# Altium PCB pcb.PcbDoc (part 2 of 2)
Units mm, origin at the board's own origin, x right, y up, seen from the top; angles counter-clockwise.
Board outline 110 x 25 mm, 4 copper layers (Top Layer, Mid-Layer 1, Mid-Layer 2, Bottom Layer); 133 components, 112 nets, 571 pads, 224 vias.
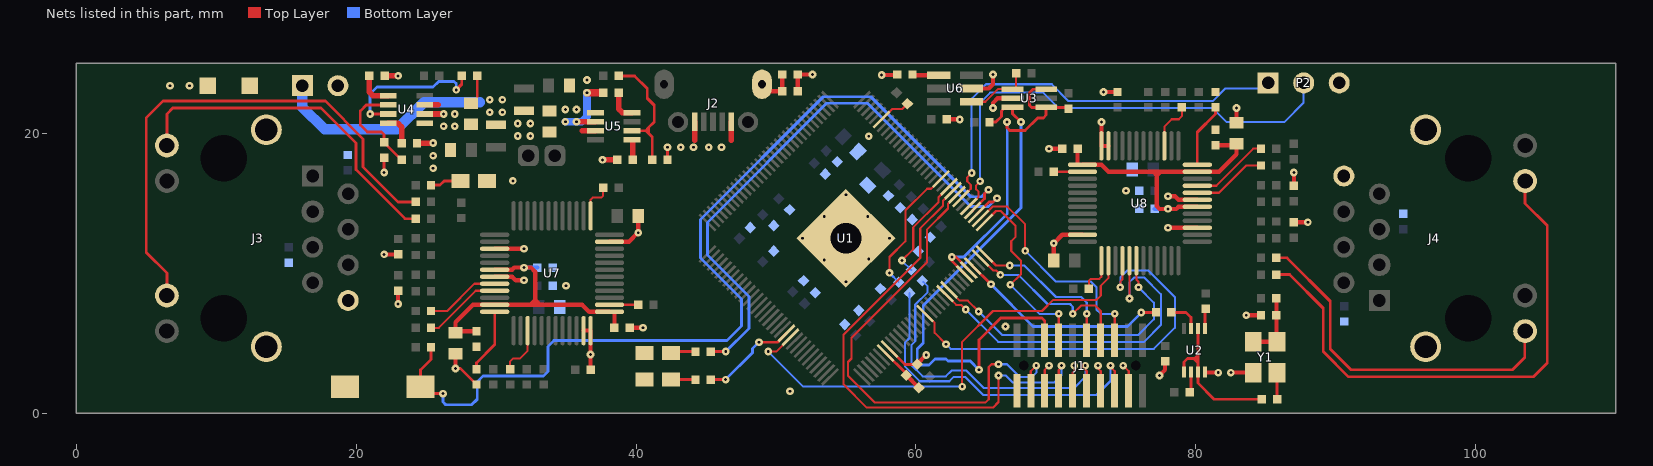
[diagram p4: the nets of this part, all layers, seen from the top]

## Via types
v1: diameter 0.55, hole 0.2, Top Layer to Bottom Layer, 224 vias

## Nets (pads, with @x,y where several pads share a name; then routed paths per layer and width w, separated by ;. In a path a pad name is that pad's centre, name@x,y a point inside that pad or via, vN(x,y) a via of type N, cw(c..) or ccw(c..) an arc to the next point about the centre after c; other vN are vias at no path point) (continued)
ETH2_TXD1: U1.113 U8.4 | length 29.7
  Top Layer w0.15: U1.113@60.657,7.126 61.329,6.454 61.329,5.747 v1(62.142,4.934) ; v1(74.6,9) 74.6,9.4 74.75,9.55 U8.4@74.75,10.9
  Bottom Layer w0.15: v1(62.142,4.934) 62.476,4.6 77,4.6 78.5,6.1 78.5,8.3 76.6,10.2 75.1,10.2 74.6,9.7 v1(74.6,9)
ETH2_TXD2: U1.118 U8.5 | length 26.3
  Top Layer w0.15: U1.118@62.071,8.54 62.866,7.745 63.22,7.745 v1(63.556,7.409) ; v1(75.25,8.2) U8.5@75.25,10.9
  Bottom Layer w0.15: v1(63.556,7.409) 65.865,5.1 76.3,5.1 77.5,6.3 77.5,8.5 76.3,9.7 75.6,9.7 75.25,9.35 v1(75.25,8.2)
ETH2_TXD3: U1.119 U8.6 | length 21.2
  Top Layer w0.15: U1.119@62.354,8.823 63.132,8.045 63.697,8.045 v1(64.475,7.267) ; U8.6@75.75,10.9 75.75,9.55 75.9,9.4 v1(75.9,9)
  Bottom Layer w0.15: v1(64.475,7.267) 66.143,5.6 75.9,5.6 77,6.7 77,7.9 v1(75.9,9)
ETH2_TXEN: U1.86 U8.2 | length 34.1
  Top Layer w0.15: v1(49.449,4.404) 50.015,4.404 U1.86@51.04,5.429 ; v1(63.3,1.9) 63.3,5.1 65.5,7.3 69,7.3 69.8,8.1 72.9,8.1 73.2,8.4 73.2,9.1 73.75,9.65 U8.2@73.75,10.9
  Bottom Layer w0.15: v1(49.449,4.404) 51.953,1.9 v1(63.3,1.9)
GND: C1.1 C2.1 C3.1 C4.1 C5.1 C6.1 C7.1 C8.1 C9.1 C10.1 C11.1 C12.1 C13.1 C14.1 C15.1 C16.1 C17.1 C18.1 C19.1 C20.1 C21.1 C22.1 C25.1 C26.1 C27.1 C28.1 C29.1 C30.1 C31.1 C32.1 C33.1 C34.1 C35.1 C36.1 C37.1 C38.1 C39.1 C40.1 C41.1 C42.1 C43.1 C44.1 C45.1 C46.1 C47.1 C48.1 C49.1 C50.1 C51.1 C52.1 C53.1 C54.1 C55.1 C56.1 D1.2 D2.2 D3.2 D4.1 J1.4 J1.8 J1.12 J1.16 J1.20 J2.5 J3.8 J3.9 J3.10 J4.8 J4.9 J4.10 P1.2 P2.3 R16.1 R21.1 R22.1 R33.1 R48.1 S1.2 U1.104 U1.129 U2.4 U3.2 U4.1 U5.1 U6.2 U7.15 U7.19 U7.35 U7.36 U7.47 U8.15 U8.19 U8.35 U8.36 U8.47 Y1.2 | length 62
  Top Layer w0.15: J1.16@69.2,1.6 69.2,3.1 v1(69.5,3.4) ; J1.12@71.2,1.6 71.2,2.9 71.3,3 v1(71.3,3.4) ; v1(73,3.4) 73,3.2 73.2,3 J1.8@73.2,1.6 ; v1(74.8,3.4) 75.2,3 J1.4@75.2,1.6
  Top Layer w0.2: v1(22,17.2) R21.1@22,18.25 ; v1(27.1,3.2) 27.45,3.2 R33.1@28.6,2.05 R33.1@28.6,2 ; v1@42.2,19 42.2,19.05 v1@42.25,19.1 ; R22.1@42.25,18.1 v1(42.25,19) ; U1.104@58.111,4.58 59.203,3.489 C19.1@60.089,3.489
  Top Layer w0.3: v1(22,11.35) C40.1@23,11.35 ; v1(23,7.8) C33.1@23,8.75 ; v1(27.1,3.2) C38.1@27.1,4.25 ; U7.19@29.9,9.75 31.15,9.75 31.4,9.5 v1(32,9.5) ; U7.15@29.9,11.75 31.95,11.75 v1@32,11.7 ; U7.35@36.25,5.9 U7.36@36.75,5.9 v1(36.75,4.2) C42.1@36.75,3.1 ; U7.47@38.1,12.25 39.5,12.25 v1(40.15,12.9) C41.1@40.15,14.1 ; C37.1@39.55,6.1 39.65,6 39.75,6.1 v1(40.5,6.1) ; R16.1@51.55,23 C22.1@51.55,24.2 v1(52.6,24.2) ; v1(57.546,24.167) 58.617,24.167 C30.1@58.65,24.2 ; C19.1@60.089,3.489 60.089,3.517 v1(60.728,4.156) ; C29.1@62.2,21 63.117,21 v1(63.132,20.985) ; U6.2@63.975,23.2 65.2,23.2 65.5,23.5 v1(65.5,24.2) ; v1(65.5,21.8) 65.5,22.17 65.83,22.5 U3.2@66.9,22.5 ; v1(69.5,18.9) C49.1@70.45,18.9 ; v1(69.849,12.146) 70.453,12.75 U8.47@71.9,12.75 ; C53.1@69.85,10.9 v1(69.849,12.146) ; v1(73.25,20.8) U8.36@73.25,19.1 U8.35@73.75,19.1 ; v1(73.4,22.95) C54.1@74.4,22.95 ; v1(77.4,2.7) 77.8,3.1 C20.1@77.8,3.7 C20.1@77.8,3.75 ; v1(78,13.25) U8.15@80.1,13.25 ; v1(78,15.5) 78.5,15.5 78.75,15.25 U8.19@80.1,15.25 ; U2.4@80.65,2.95 80.7,2.9 v1(81.6,2.9) ; v1(82.5,2.9) Y1.2@84.1,2.9 ; C50.1@82.9,20.75 v1(82.9,21.8) ; v1(83.6,7) C21.1@84.65,7 ; C52.1@87,13.65 v1(88,13.65) ; C45.1@87,16.25 v1(87,17.2)
  Top Layer w0.4: C31.1@22.05,24.1 v1(23,24.1) ; v1(37.6,18.1) C32.1@38.65,18.1 ; 44.2,19.5 J2.5@44.2,20.825
  other v1: 51.005,1.575 66.4,6.2 35,9.1 55,9.389 53.444,10.944 56.626,11.015 32,11.75 51.889,12.5 58.111,12.5 53.444,14.056 56.556,14.056 55,15.611 75,15.9 31.2,16.6 25.5,17.5 25.5,18.4 43.2,19 44.1,19 56.626,19.783 26.25,20.5 27.05,20.5 34.95,21.7 35.75,21.7 6.7,23.4 8.1,23.4 36.5,23.8
LED_TILE0: R4.2 U1.3 | length 41.7
  Top Layer w0.2: R4.2@45.35,4.4 46.405,4.4 v1(46.409,4.404) ; U1.3@64.334,14.197 65.224,15.088 65.507,15.088 v1(65.783,15.364)
  Bottom Layer w0.2: v1(46.409,4.404) 48.07,6.065 48.07,8.328 45.101,11.298 45.101,13.631 53.621,22.152 56.52,22.152 63.91,14.763 65.182,14.763 v1(65.783,15.364)
LED_TILE1: R5.2 U1.85 | length 7.1
  Top Layer w0.15: v1(48.777,5.075) v1@48.848,5.005
  Top Layer w0.2: R5.2@45.35,2.4 v1(46.4,2.4) ; v1(48.777,5.075) 50.121,5.075 U1.85@50.757,5.712
  Bottom Layer w0.2: v1(46.4,2.4) 48.318,4.318 48.318,4.616 v1(48.777,5.075)
LINK_IN0: J1.14 U1.9 | length 38.4
  Top Layer w0.15: U1.9@62.637,15.894 61.93,15.187 61.93,14.833 60.303,13.207 60.303,11.086 54.823,5.606 54.823,2.07 56.493,0.4 65.5,0.4 65.9,0.8 v1(65.9,2.7) ; J1.14@70.2,1.6 70.2,3.1 70.4,3.3 v1(70.4,3.4)
  Bottom Layer w0.15: v1(65.9,2.7) 66.4,2.7 66.9,2.2 69.9,2.2 70.4,2.7 v1(70.4,3.4)
LINK_IN1: J1.18 U1.8 | length 35.8
  Top Layer w0.15: U1.8@62.92,15.611 62.283,14.975 62.283,14.621 60.798,13.136 60.798,10.803 55.389,5.394 55.389,3.909 55.141,3.661 55.141,2.671 57.038,0.775 64.975,0.775 65.2,1 65.2,3.3 65.4,3.5 v1(65.9,3.5) ; J1.18@68.2,1.6 68.2,3 v1(68.6,3.4)
  Bottom Layer w0.15: v1(65.9,3.5) 66.5,3.5 67.4,2.6 68.3,2.6 68.6,2.9 v1(68.6,3.4)
LINK_OUT0: J1.10 R7.1 | length 23
  Top Layer w0.15: v1(72.1,3.4) 72.1,3.1 72.2,3 J1.10@72.2,1.6
  Bottom Layer w0.15: R7.1@60.515,9.389 60.834,9.071 60.834,8.646 59.95,7.762 59.95,5.146 59.667,4.863 59.667,3.449 60.48,2.636 62.136,2.636 62.55,3.05 63.6,3.05 64.85,1.8 71.3,1.8 72.1,2.6 v1(72.1,3.4)
LINK_OUT1: J1.6 R8.1 | length 24.6
  Top Layer w0.15: v1(73.9,3.4) 73.9,3.3 74.2,3 J1.6@74.2,1.6
  Bottom Layer w0.15: R8.1@59.539,8.586 59.539,5.372 59.207,5.04 59.207,3.343 60.268,2.282 62.382,2.282 62.7,2.6 63.5,2.6 64.8,1.3 72.9,1.3 73.9,2.3 v1(73.9,3.4)
NetC19_2: C19.2 R2.1 U1.103 | length 3.5
  Top Layer w0.2: U1.103@57.828,4.298 59.311,2.815 C19.2@59.311,2.711
  Top Layer w0.3: C19.2@59.311,2.711 R2.1@60.211,1.811
NetC21_2: C21.2 FB1.2 Y1.1 Y1.4 | length 4.8
  Top Layer w0.3: Y1.1@84.1,5.1 85.7,5.1 Y1.4@85.75,5.15 ; FB1.2@85.75,8.2 C21.2@85.75,7 Y1.4@85.75,5.15 ; Y1.4@85.8,5.1 Y1.4@85.75,5.15
NetC22_2: C22.2 J2.M3 R16.2 | length 2.9
  Top Layer w0.3: J2.M3@49,23.5 49.5,23 R16.2@50.45,23 C22.2@50.45,24.2
NetC23_1: C23.1 U4.8 | length 2.2
  Top Layer w0.4: U4.8@22.3,20.725 22.975,20.725 23.25,20.45 C23.1@23.25,19.3
NetC23_2: C23.2 L1.1 U4.2 | length 2.5
  Top Layer w0.4: C23.2@24.35,19.3 v1(25.5,19.3) ; U4.2@24.9,21.375 v1(26.25,21.375)
  other v1: 27.05,21.375 29.55,21.5 30.45,21.5
NetC24_1: C24.1 U5.8 | length 2.2
  Top Layer w0.4: C24.1@38.75,22.9 38.75,21.75 39.025,21.475 U5.8@39.7,21.475
NetC24_2: C24.2 L2.1 U5.2 | length 5.9
  Top Layer w0.4: v1(35.75,20.825) U5.2@37.1,20.825
  Top Layer w0.55: v1(36.5,22.9) C24.2@37.65,22.9
  Bottom Layer w0.55: v1(34.95,20.825) v1(35.75,20.825) 36.125,20.825 36.5,21.2 v1(36.5,22.9)
  other v1: 31.55,20.7 32.45,20.7
NetC30_2: C30.2 U6.4 | length 1.9
  Top Layer w0.3: C30.2@59.75,24.2 59.8,24.15 U6.4@61.625,24.15
NetC31_2: C31.2 U4.5 | length 2.6
  Top Layer w0.4: C31.2@20.95,24.1 20.95,22.95 21.225,22.675 U4.5@22.3,22.675
NetC32_2: C32.2 U5.5 | length 1.4
  Top Layer w0.4: U5.5@39.7,19.525 39.75,19.475 C32.2@39.75,18.1
NetC36_2: C36.2 C37.2 C38.2 C39.2 U7.18 U7.23 U7.37 | length 22.1
  Top Layer w0.3: C39.2@28.6,5.85 27.2,5.85 C38.2@27.1,5.75 27.1,6.5 28.35,7.75 U7.23@29.9,7.75 32.45,7.75 ; U7.18@29.9,10.25 31.15,10.25 31.3,10.4 v1(32,10.4) 32.5,10.4 32.8,10.1 32.8,8.1 ; U7.37@38.1,7.25 36.65,7.25 36.15,7.75 33.15,7.75 ; C37.2@38.45,6.1 U7.37@38.45,7.15 ; 32.45,7.75 32.8,8.1 ; 32.45,7.75 33.15,7.75 ; 32.8,8.1 33.15,7.75
  Bottom Layer w0.3: v1(32,10.4) C36.2@32.95,10.4
NetC48_2: C48.2 C49.2 C50.2 C51.2 U8.18 U8.23 U8.37 | length 21.9
  Top Layer w0.3: U8.37@71.55,17.85 C49.2@71.55,18.9 ; U8.37@71.9,17.75 73.25,17.75 73.75,17.25 77,17.25 ; U8.18@80.1,14.75 78.75,14.75 78.6,14.6 v1(78,14.6) 77.4,14.6 77.2,14.8 77.2,17 ; C51.2@81.4,19.15 82.8,19.15 C50.2@82.9,19.25 82.9,18.5 81.65,17.25 U8.23@80.1,17.25 77.45,17.25 ; 77,17.25 77,17.2 77.2,17 ; 77,17.25 77.45,17.25 ; 77.2,17 77.45,17.25
  Bottom Layer w0.3: C48.2@77.05,14.6 v1(78,14.6)
NetD1_1: D1.1 R3.1 | length 2.2
  Top Layer w0.2: R3.1@25.35,16.3 26,16.3 26.3,16.6 D1.1@27.45,16.6
NetD2_1: D2.1 R4.1 | length 2
  Top Layer w0.2: D2.1@42.25,4.4 R4.1@44.25,4.4
NetD3_1: D3.1 R5.1 | length 2
  Top Layer w0.2: D3.1@42.25,2.4 D3.1@42.5,2.4 R5.1@44.25,2.4
NetJ3_11: J3.11 R24.1 | length 24.6
  Top Layer w0.2: J3.11@6.48,19.13 6.48,21.38 6.9,21.8 17.5,21.8 20,19.3 20,17.4 23.5,13.9 R24.1@24.25,13.9
NetJ3_13: J3.13 R25.1 | length 37.2
  Top Layer w0.2: J3.13@6.48,8.41 6.48,10.02 5,11.5 5,21.1 6.2,22.3 17.8,22.3 20.5,19.6 20.5,17.6 23,15.1 R25.1@24.25,15.1
NetJ4_11: J4.11 R39.1 | length 25
  Top Layer w0.2: R39.1@85.75,11.1 86.5,11.1 89.6,8 89.6,4.6 91.1,3.1 102.6,3.1 103.5,4 J4.11@103.5,5.6
NetJ4_13: J4.13 R40.1 | length 38.2
  Top Layer w0.2: R40.1@85.75,9.9 86.7,9.9 89.1,7.5 89.1,4.4 90.9,2.6 104.1,2.6 105.1,3.6 105.1,13.4 103.52,14.98 J4.13@103.52,16.59
NetR1_1: R1.1 U1.27 | length 2.3
  Top Layer w0.15: U1.27@57.546,20.985 58.288,21.728 59.006,21.728 R1.1@59.389,22.111
NetR7_2: R7.2 U1.10 | length 7.6
  Top Layer w0.15: v1(58.995,10.909) 59.808,11.722 59.808,13.278 61.611,15.081 61.611,15.434 U1.10@62.354,16.177
  Bottom Layer w0.15: v1(58.995,10.909) 58.995,10.905 R7.2@59.661,10.239
NetR8_2: R8.2 U1.12 | length 9.3
  Top Layer w0.15: v1(58.111,10.025) 58.111,11.156 59.243,12.288 59.243,14.48 60.798,16.036 61.081,16.036 U1.12@61.788,16.743
  Bottom Layer w0.15: v1(58.111,10.025) 58.111,10.014 R8.2@58.761,9.364
NetR9_2: R9.2 U2.7 | length 2.3
  Top Layer w0.2: R9.2@78.25,7.2 79.3,7.2 79.65,6.85 U2.7@79.65,6.05
NetR10_1: R10.1 U2.1 U2.3 U2.6 | length 11.5
  Top Layer w0.2: U2.1@79.15,2.95 79.15,3.65 79.4,3.9 79.9,3.9 ; U2.6@80.15,6.05 80.15,4.15 ; R10.1@84.7,1 81.3,1 80.15,2.15 U2.3@80.15,2.95 80.15,3.6 ; 79.9,3.9 80.15,4.15 ; 79.9,3.9 80.15,3.9 ; 79.9,3.9 79.9,3.85 80.15,3.6 ; 80.15,3.6 80.15,3.9 ; 80.15,3.9 80.15,4.15
NetR10_2: R10.2 Y1.3 | length 1.9
  Top Layer w0.2: R10.2@85.8,1 Y1.3@85.8,2.9
NetR11_2: R11.2 U2.5 | length 1.4
  Top Layer w0.2: U2.5@80.65,6.05 80.65,7.4 R11.2@80.7,7.45
NetR12_2: R12.2 U2.2 | length 1.5
  Top Layer w0.2: R12.2@79.55,1.5 79.65,1.6 U2.2@79.65,2.95
NetR18_1: R18.1 R21.2 U4.6 | length 7.5
  Top Layer w0.2: U4.6@22.3,22.025 20.725,22.025 20.3,21.6 20.3,20.6 20.8,20.1 21.8,20.1 22,19.9 R21.2@22,19.35 R18.1@23.25,18.1
NetR19_1: R19.1 R22.2 U5.6 | length 9.6
  Top Layer w0.2: R19.1@38.75,24.1 39.9,24.1 40.8,23.2 40.8,22.5 41.3,22 41.3,20.8 40.9,20.4 ; U5.6@39.7,20.175 40.675,20.175 ; R22.2@41.15,18.1 41.15,19.75 40.9,20 ; 40.675,20.175 40.9,20.4 ; 40.675,20.175 40.725,20.175 40.9,20 ; 40.9,20 40.9,20.4
NetR20_1: R20.1 U4.7 | length 10.9
  Top Layer w0.2: v1(21,21.375) U4.7@22.3,21.375 ; v1(27.15,23.1) 27.55,23.5 R20.1@27.55,24.1
  Bottom Layer w0.2: v1(21,21.375) 21,22.8 21.5,23.3 25.5,23.3 25.9,23.7 27,23.7 27.15,23.55 v1(27.15,23.1)
NetR23_2: R23.2 U7.1 | length 2.7
  Top Layer w0.15: U7.1@36.75,14.1 36.75,15.25 36.9,15.4 37.5,15.4 37.65,15.55 R23.2@37.65,16.1
NetR28_1: R28.1 U7.27 | length 3.6
  Top Layer w0.15: R28.1@31,3.15 31,3.7 31.2,3.9 31.7,3.9 32.25,4.45 U7.27@32.25,5.9
NetR33_2: R33.2 U7.24 | length 4.6
  Top Layer w0.2: R33.2@28.6,3.15 28.6,3.6 29.9,4.9 U7.24@29.9,7.25
NetR35_2: R35.2 U7.38 | length 2.1
  Top Layer w0.15: U7.38@38.1,7.75 40.1,7.75 R35.2@40.15,7.7
NetR36_2: R36.2 U7.21 | length 5.6
  Top Layer w0.15: R36.2@25.35,6.1 25.9,6.1 28.55,8.75 U7.21@29.9,8.75
NetR37_2: R37.2 U7.20 | length 5.4
  Top Layer w0.15: R37.2@25.35,7.3 26.5,7.3 28.45,9.25 U7.20@29.9,9.25
NetR38_2: R38.2 U8.1 | length 2.7
  Top Layer w0.15: R38.2@72.35,8.9 72.35,9.45 72.5,9.6 73.1,9.6 73.25,9.75 U8.1@73.25,10.9
NetR43_1: R43.1 U8.27 | length 3.6
  Top Layer w0.15: U8.27@77.75,19.1 77.75,20.475 78.275,21 78.775,21 79,21.225 R43.1@79,21.85
NetR48_2: R48.2 U8.24 | length 4.6
  Top Layer w0.2: U8.24@80.1,17.75 80.1,20.075 81.4,21.375 R48.2@81.4,21.85
NetR50_2: R50.2 U8.38 | length 2.1
  Top Layer w0.15: R50.2@69.85,17.25 U8.38@71.9,17.25
NetR51_2: R51.2 U8.21 | length 5.6
  Top Layer w0.15: U8.21@80.1,16.25 81.45,16.25 84.1,18.9 R51.2@84.65,18.9
NetR52_2: R52.2 U8.20 | length 5.4
  Top Layer w0.15: U8.20@80.1,15.75 81.65,15.75 83.6,17.7 R52.2@84.65,17.7
PB: R6.1 S1.1 U1.4 | length 69.3
  Top Layer w0.2: S1.1@24.6,1.8 S1.1@24.6,1.9 ; R6.1@25.35,4.7 25.35,3.85 24.6,3.1 S1.1@24.6,1.9 ; v1(26.2,1.4) 25.1,1.4 S1.1@24.6,1.9 ; U1.4@64.051,14.48 64.899,15.328 64.899,15.682 v1(65.182,15.965)
  Bottom Layer w0.2: v1(26.2,1.4) 26.2,0.8 26.4,0.6 28.25,0.6 28.65,1 28.65,2.225 29.075,2.65 33.375,2.65 33.7,2.975 33.7,4.775 34.125,5.2 46.498,5.2 47.54,6.242 47.54,8.151 44.606,11.086 44.606,13.844 53.374,22.612 56.768,22.612 63.91,15.47 64.687,15.47 v1(65.182,15.965)
POR_RST: R14.1 U3.1 U6.1 | length 4.4
  Top Layer w0.15: U6.1@63.975,22.25 64.95,22.25 65.85,23.15 U3.1@66.9,23.15 ; U3.1@67.1,23.2 67.15,23.25 R14.1@67.15,24.3
TCK: J1.9 U1.128 | length 11.4
  Top Layer w0.15: U1.128@64.899,11.369 65.713,10.555 v1(66.703,10.555) ; J1.9@72.2,5.2 v1(72.2,7.1)
  Bottom Layer w0.15: v1(66.703,10.555) 67.745,10.555 70,8.3 71.8,8.3 72.2,7.9 v1(72.2,7.1)
TDI: J1.5 U1.2 | length 17.1
  Top Layer w0.15: U1.2@64.617,13.914 65.465,14.763 66.526,14.763 67.8,13.489 v1(67.8,11.6) ; J1.5@74.2,5.2 v1(74.2,7.1)
  Bottom Layer w0.15: v1(67.8,11.6) 70,9.4 72.5,9.4 72.9,9 72.9,7.4 73.2,7.1 v1(74.2,7.1)
TDO: J1.13 U1.1 | length 14.1
  Top Layer w0.15: U1.1@64.899,13.631 65.713,14.445 66.066,14.445 67.1,13.411 67.1,12.579 66.809,12.288 66.809,11.591 67.5,10.9 67.5,9.939 v1(66.738,9.177) ; J1.13@70.2,5.2 v1(70.2,7.1)
  Bottom Layer w0.15: v1(66.738,9.177) 68.815,7.1 v1(70.2,7.1)
TMS: J1.7 U1.127 | length 13
  Top Layer w0.15: U1.127@64.617,11.086 65.501,10.202 65.713,10.202 v1(66.031,9.884) ; v1(71.2,7.1) 71.8,7.7 72.8,7.7 73.2,7.3 J1.7@73.2,5.2
  Bottom Layer w0.15: v1(66.031,9.884) 67.316,9.884 69.4,7.8 71,7.8 71.2,7.6 v1(71.2,7.1)
UART_RX: P2.1 U1.7 | length 30.2
  Top Layer w0.15: U1.7@63.202,15.328 63.91,16.036 63.91,16.318 63.662,16.566 63.662,16.849 v1(63.98,17.167)
  Bottom Layer w0.15: v1(63.98,17.167) 63.98,22.48 65,23.5 69.7,23.5 70.9,22.3 81.2,22.3 82.1,23.2 P2.1@85.16,23.2
UART_TX: P2.2 U1.5 | length 33.8
  Top Layer w0.15: U1.5@63.768,14.763 64.475,15.47 64.475,15.823 64.298,16 64.298,16.283 v1(64.581,16.566)
  Bottom Layer w0.15: v1(64.581,16.566) 64.581,22.181 65.3,22.9 69.1,22.9 70.2,21.8 81.2,21.8 82.2,20.8 86.3,20.8 87.7,22.2 P2.2@87.7,23.2
VIN: C25.2 C27.2 D4.2 J2.1 P1.1 R20.2 U4.3 U5.3 | length 20.4
  Top Layer w0.2: 28.65,22.625 R20.2@28.65,24.1
  Top Layer w0.4: U4.3@24.9,22.025 25.85,22.025 ; 36.15,20.175 U5.3@37.1,20.175 ; 46.8,19.5 J2.1@46.8,20.825
  Bottom Layer w0.75: P1.1@16.16,23.4 16.16,21.865 17.75,20.275 22.9,20.275 24.85,22.225 28.825,22.225
  other v1: 45.2,19 46.1,19 31.55,19.8 32.45,19.8 29.55,22.4 30.45,22.4
XM_CLK: R9.1 U1.125 | length 15.3
  Top Layer w0.2: U1.125@64.051,10.52 v1(65.359,9.212) ; v1(76.1,7.2) R9.1@77.15,7.2
  Bottom Layer w0.2: v1(65.359,9.212) 68.371,6.2 75.1,6.2 v1(76.1,7.2)
XM_RST: R15.1 U1.123 U1.124 U3.4 U3.6 | length 24.3
  Top Layer w0.2: U1.123@63.485,9.954 62.566,10.874 v1(62.566,11.156) 62.849,11.156 U1.124@63.768,10.237 ; v1(66.5,20.8) 66.5,20.4 66.7,20.2 67.8,20.2 68.7,21.1 69.1,21.1 69.3,21.3 U3.4@69.3,21.85 ; U3.6@69.3,23.15 68.35,23.15 68.1,22.9 68.1,22 68.25,21.85 U3.4@69.3,21.85 ; R15.1@70.9,21.75 70.8,21.85 U3.4@69.3,21.85
  Bottom Layer w0.2: v1(62.566,11.156) 63.415,11.156 66.526,14.268 v1@66.526,20.8
XTAG_RST: J1.15 R13.1 U3.3 | length 37.9
  Top Layer w0.2: v1(64.5,3.1) 64.5,5.242 66.058,6.8 69,6.8 69.2,6.6 J1.15@69.2,5.2 ; R13.1@65.15,20.8 R13.1@65.25,20.8 65.7,20.8 66.1,21.2 66.1,21.6 66.35,21.85 U3.3@66.9,21.85 66.9,21.4 v1(67.5,20.8)
  Bottom Layer w0.2: v1(64.5,3.1) 63.875,3.725 62.29,3.725 62.142,3.873 61.364,3.873 60.94,3.449 60.303,3.449 60.091,3.661 60.091,4.58 60.515,5.005 60.515,7.692 67.5,14.676 v1(67.5,20.8)
pads on no net: J1.1 J1.2 J1.3 J1.11 J1.17 J1.19 J1.MH1 J2.2 J2.3 J2.4 J2.M1 J2.M2 J2.M4 J3.7 J3.MH1 J3.MH2 J4.7 J4.MH1 J4.MH2 U1.22 U1.23 U1.25 U1.26 U1.28 U1.30 U1.31 U1.32 U1.33 U1.34 U1.35 U1.37 U1.38 U1.39 U1.40 U1.43 U1.45 U1.46 U1.47 U1.48 U1.50 U1.51 U1.53 U1.54 U1.55 U1.65 U1.72 U1.74 U1.75 U1.76 U1.77 U1.79 U1.82 U1.84 U1.93 U1.94 U1.95 U1.96 U1.97 U1.98 U1.99 U1.100 U1.106 U1.107 U1.108 U1.109 U5.4 U6.3 U7.7 U7.8 U7.9 U7.10 U7.11 U7.12 U7.25 U7.33 U7.40 U7.42 U8.7 U8.8 U8.9 U8.10 U8.11 U8.12 U8.25 U8.33 U8.40 U8.42
copper on no net: | length 1080
  Top Layer w0.2: 0,0 0,25 110,25 110,0 0,0
  Mid-Layer 1 w0.2: 0,0 110,0 110,25 0,25 0,0
  Mid-Layer 2 w0.2: 0,0 110,0 110,25 0,25 0,0
  Bottom Layer w0.2: 0,0 110,0 110,25 0,25 0,0

## Polygon pours and split planes (outlines as drawn)
1V0 on Mid-Layer 2 "Mid2-1V0" (solid, remove dead copper, pour order 4): 46.798,12.5 55,4.298 63.202,12.5 55,20.702
1V0 on Mid-Layer 2 "Mid2-1V0-2" (solid, remove dead copper, pour order 5): 31.276,18.625 31.276,25 49.225,25 49.225,20.45 52.062,17.612 50.413,15.963 47.75,18.625
3V3A1 on Mid-Layer 2 "Mid2-3V3A1" (solid, remove dead copper, pour order 6): 13.5,4.75 13.5,20.25 20.625,20.25 20.625,15.4 27.5,15.4 27.5,14.4 33,14.4 33,4.75
3V3A2 on Mid-Layer 2 "Mid2-3V3A2" (solid, remove dead copper, pour order 7): 81.65,10.125 81.65,12.775 77,12.775 77,18.875 89.425,18.875 89.425,20.25 96.5,20.25 96.5,4.75 89.375,4.75 89.375,10.125
3V3 on Mid-Layer 2 "Mid2-3V3" (solid, pour order 8): 0,-0.1 cw(c0,0) -0.1,0 -0.1,4.75 cw(c0,4.75) 0,4.85 13.4,4.85 13.4,20.15 0,20.15 cw(c0,20.25) -0.1,20.25 -0.1,25 cw(c0,25) 0,25.1 110,25.1 cw(c110,25) 110.1,25 110.1,20.25 cw(c110,20.25) 110,20.15 96.6,20.15 96.6,4.85 110,4.85 cw(c110,4.75) 110.1,4.75 110.1,0 cw(c110,0) 110,-0.1
VIN on Bottom Layer "Bottom-VIN" (solid, pour order 9): 46.625,25 46.625,18.625 21.375,18.625 21.375,25
GND on Bottom Layer "Bottom-GND" (solid, remove dead copper, pour order 11): 0,0 0,4.75 13.5,4.75 13.5,20.25 0,20.25 0,25 110,25 110,20.25 96.5,20.25 96.5,4.75 110,4.75 110,0
GND on Mid-Layer 1 "Mid1-GND" (solid, pour order 3): 0,0 0,4.75 13.5,4.75 13.5,20.25 0,20.25 0,25 110,25 110,20.25 96.5,20.25 96.5,4.75 110,4.75 110,0
GND on Top Layer "Top-GND" (solid, remove dead copper, pour order 2): 0,4.75 13.5,4.75 13.5,20.25 0,20.25 0,25 20,25 20,16.9 41.7,16.9 41.7,25 110,25 110,20.25 96.5,20.25 96.5,4.75 110,4.75 110,0 0,0

## Keep-outs
Keep-Out Layer:
  the board outline again, w0.2

## Other copper
Top Layer:
  region net 3V3: 51.959,17.945 52.667,18.652 52.242,19.076 51.535,18.369
  region net 1V0: 59.455,16.531 59.879,16.955 59.455,17.379 59.031,16.955
  region net 3V3: 58.889,7.055 59.313,7.48 58.889,7.904 58.465,7.48
  region net 1V0: 50.545,7.621 50.969,8.045 50.545,8.469 50.121,8.045
  region net 1V0: 56.344,4.51 56.768,4.934 56.344,5.358 55.919,4.934
  region net XM_RST: 62.566,10.732 62.99,11.156 62.566,11.581 62.142,11.156
  rectangle net NetC23_2: 25.975,21.1 27.325,21.65
  rectangle net GND: 25.975,20.175 28.7,20.925
  rectangle net VIN: 25.7,21.825 27.8,22.6
  rectangle net VIN: 27.7,22.05 30.725,22.75
  rectangle net NetC23_2: 29.275,20.875 30.725,21.775
  rectangle net 3V3: 29.275,17.825 30.725,18.725
  rectangle net GND: 25,17.2 26,18.7
  rectangle net GND: 26,18 27.15,18.7
  rectangle net GND: 24.3,20.175 25.975,20.925
  rectangle net GND: 26.35,19.275 27.15,20.2
  rectangle net NetC24_2: 34.675,20.55 36.025,21.1
  rectangle net NetC24_2: 31.275,20.4 32.725,21.3
  rectangle net 1V0: 31.275,23.5 32.725,24.375
  rectangle net VIN: 31.275,19.45 34.3,20.15
  rectangle net VIN: 34.275,19.45 36.3,20.375
  rectangle net GND: 33.3,21.275 37.7,22.025
  rectangle net GND: 34.85,21.875 35.65,22.925
  rectangle net GND: 34.85,23.475 36.825,24.125
  rectangle net GND: 41.9,18.6 44.4,19.7
  rectangle net VIN: 44.75,18.6 47,19.7
  rectangle net VIN: 11.8,22.65 15.5,24.15
  rectangle net GND: 6,22.8 8.825,24
Mid-Layer 2:
  rectangle net 3V3: 31,17.65 32.3,19.15
  rectangle net 1V0: 33.45,18.4 34.95,19.675
  rectangle net NetC23_2: 25.225,21.1 30.725,21.775
  rectangle net NetC23_2: 25.225,19.025 25.775,21.125
  rectangle net NetC24_2: 31.275,20.425 36.025,21.1

## Silkscreen, mask and mechanical layers (free items; w line width, h text height)
Top Overlay:
  text "5-9VDC" at 0.5,22.925 h1
  text "GND" at 92.1,22.9 h1
  text "ETH2" at 105.3,21.4 h2
  text "ETH1" at 0.5,21.35 h2
  text "RX" at 84.3,20.8 h1
  text "TX" at 87.383,20.782 h1
  text "T0" at 37.3,3.6 h1
  text "DESIGN BY" at 99.3,2.7 h2
  text "T1" at 37.6,1.6 h1
  text "ETHERCEPTOR" at 0.5,1 h2.5
  text "V1" at 15.8,1 h2
  text "BIANCO ZANDBERGEN" at 88.625,0.9 h2.2
Bottom Overlay:
  text "VIN" at 16.8,22.1 h1 r90
  text "GND" at 19.2,22.1 h1 r90
  text "1V1" at 35.5,19.8 h1 r180
  text "3V3" at 28.15,19.75 h1 r180
  text "ET4397IN-2017" at 0.7,2.1 h1 r180
Top Solder:
  the board outline again, w0.2
Bottom Solder:
  the board outline again, w0.2
Mechanical 5:
  lines w0.2: 0,0 0,4.75 13.5,4.75 13.5,20.25 0,20.25 0,25 20,25 20,16.9 41.7,16.9 41.7,25 110,25 110,20.25 96.5,20.25 96.5,4.75 110,4.75 110,0 0,0 ; 50.757,12.5 55,8.257 59.243,12.5 55,16.743 50.757,12.5
Mechanical 6:
  region: 114.263,-19.814 114.353,-19.814 114.353,-71.013 114.263,-71.013
  region: 52.319,-19.814 52.409,-19.814 52.409,-71.013 52.319,-71.013
  region: 11.984,-19.814 12.074,-19.814 12.074,-71.013 11.984,-71.013
  region: 0.189,-19.814 0.279,-19.814 0.279,-71.013 0.189,-71.013
  region: 0.189,-70.923 114.263,-70.923 114.263,-71.013 0.189,-71.013
  region: 0.189,-65.812 114.263,-65.812 114.263,-65.902 0.189,-65.902
  region: 0.189,-60.701 114.263,-60.701 114.263,-60.791 0.189,-60.791
  region: 0.189,-55.59 114.263,-55.59 114.263,-55.68 0.189,-55.68
  region: 0.189,-50.479 114.263,-50.479 114.263,-50.569 0.189,-50.569
  region: 0.189,-45.369 114.263,-45.369 114.263,-45.458 0.189,-45.458
  region: 0.189,-40.258 114.263,-40.258 114.263,-40.347 0.189,-40.347
  region: 0.189,-35.147 114.263,-35.147 114.263,-35.236 0.189,-35.236
  region: 0.189,-30.036 114.263,-30.036 114.263,-30.126 0.189,-30.126
  region: 0.189,-24.925 114.263,-24.925 114.263,-25.015 0.189,-25.015
  region: 0.189,-19.814 114.263,-19.814 114.263,-19.904 0.189,-19.904
  lines w0.09: 0.189,-71.013 0.189,-19.814 ; 0.189,-70.923 114.263,-70.923 ; 0.189,-65.812 114.263,-65.812 ; 0.189,-60.701 114.263,-60.701 ; 0.189,-55.59 114.263,-55.59 ; 0.189,-50.479 114.263,-50.479 ; 0.189,-45.369 114.263,-45.369 ; 0.189,-40.258 114.263,-40.258 ; 0.189,-35.147 114.263,-35.147 ; 0.189,-30.036 114.263,-30.036 ; 0.189,-24.925 114.263,-24.925 ; 11.984,-71.013 11.984,-19.814 ; 52.319,-71.013 52.319,-19.814 ; 114.263,-71.013 114.263,-19.814
  lines w0.2: 0,0 110,0 110,25 0,25 0,0
  lines w0.6: 42,23.15 42,23.85 ; 49,23.15 49,23.85
  text "Layer Stack" at 0.575,-12.975 h3
  text "Slots" at 117,-13 h3
  text "2 x PLATED SLOTS" at 117,-17 h2
  text "0.6 x 1.3 mm" at 125,-21 h2
  text "L" at 0.91,-23.556 h4.52
  text "a" at 3.151,-23.556 h4.52
  text "y" at 5.393,-23.556 h4.52
  text "e" at 7.455,-23.556 h4.52
  text "r" at 9.697,-23.556 h4.52
  text "N" at 12.704,-23.556 h4.52
  text "a" at 15.484,-23.556 h4.52
  text "m" at 17.725,-23.556 h4.52
  text "e" at 21.043,-23.556 h4.52
  text "F" at 53.04,-23.556 h4.52
  text "i" at 55.281,-23.556 h4.52
  text "l" at 56.357,-23.556 h4.52
  text "e" at 57.433,-23.556 h4.52
  text "1" at 0.91,-28.667 h4.52
  text "T" at 12.704,-28.667 h4.52
  text "o" at 15.125,-28.667 h4.52
  text "p" at 17.367,-28.667 h4.52
  text "L" at 20.684,-28.667 h4.52
  text "e" at 22.926,-28.667 h4.52
  text "g" at 25.167,-28.667 h4.52
  text "e" at 27.409,-28.667 h4.52
  text "n" at 29.651,-28.667 h4.52
  text "d" at 31.892,-28.667 h4.52
  text "E" at 53.04,-28.667 h4.52
  text "C" at 55.461,-28.667 h4.52
  text "_" at 58.061,-28.667 h4.52
  text "T" at 59.765,-28.667 h4.52
  text "O" at 62.185,-28.667 h4.52
  text "P" at 64.965,-28.667 h4.52
  text "_" at 67.386,-28.667 h4.52
  text "L" at 69.09,-28.667 h4.52
  text "E" at 71.331,-28.667 h4.52
  text "G" at 73.752,-28.667 h4.52
  text "E" at 76.532,-28.667 h4.52
  text "N" at 78.953,-28.667 h4.52
  text "D" at 81.732,-28.667 h4.52
  text "." at 84.333,-28.667 h4.52
  text "G" at 85.409,-28.667 h4.52
  text "B" at 88.188,-28.667 h4.52
  text "R" at 90.789,-28.667 h4.52
  text "2" at 0.91,-33.778 h4.52
  text "T" at 12.704,-33.778 h4.52
  text "o" at 15.125,-33.778 h4.52
  text "p" at 17.367,-33.778 h4.52
  text "S" at 20.684,-33.778 h4.52
  text "o" at 23.105,-33.778 h4.52
  text "l" at 25.347,-33.778 h4.52
  text "d" at 26.423,-33.778 h4.52
  text "e" at 28.664,-33.778 h4.52
  text "r" at 30.906,-33.778 h4.52
  text "m" at 32.341,-33.778 h4.52
  text "a" at 35.658,-33.778 h4.52
  text "s" at 37.9,-33.778 h4.52
  text "k" at 39.962,-33.778 h4.52
  text "E" at 53.04,-33.778 h4.52
  text "C" at 55.461,-33.778 h4.52
  text "_" at 58.061,-33.778 h4.52
  text "T" at 59.765,-33.778 h4.52
  text "O" at 62.185,-33.778 h4.52
  text "P" at 64.965,-33.778 h4.52
  text "_" at 67.386,-33.778 h4.52
  text "S" at 69.09,-33.778 h4.52
  text "O" at 71.511,-33.778 h4.52
  text "L" at 74.29,-33.778 h4.52
  text "D" at 76.532,-33.778 h4.52
  text "E" at 79.132,-33.778 h4.52
  text "R" at 81.553,-33.778 h4.52
  text "M" at 84.153,-33.778 h4.52
  text "A" at 87.292,-33.778 h4.52
  text "S" at 89.892,-33.778 h4.52
  text "K" at 92.313,-33.778 h4.52
  text "." at 95.093,-33.778 h4.52
  text "G" at 96.168,-33.778 h4.52
  text "B" at 98.948,-33.778 h4.52
  text "R" at 101.548,-33.778 h4.52
  text "3" at 0.91,-38.889 h4.52
  text "T" at 12.704,-38.889 h4.52
  text "o" at 15.125,-38.889 h4.52
  text "p" at 17.367,-38.889 h4.52
  text "L" at 20.684,-38.889 h4.52
  text "a" at 22.926,-38.889 h4.52
  text "y" at 25.167,-38.889 h4.52
  text "e" at 27.23,-38.889 h4.52
  text "r" at 29.471,-38.889 h4.52
  text "E" at 53.04,-38.889 h4.52
  text "C" at 55.461,-38.889 h4.52
  text "_" at 58.061,-38.889 h4.52
  text "T" at 59.765,-38.889 h4.52
  text "O" at 62.185,-38.889 h4.52
  text "P" at 64.965,-38.889 h4.52
  text "_" at 67.386,-38.889 h4.52
  text "L" at 69.09,-38.889 h4.52
  text "A" at 71.331,-38.889 h4.52
  text "Y" at 73.932,-38.889 h4.52
  text "E" at 76.532,-38.889 h4.52
  text "R" at 78.953,-38.889 h4.52
  text "." at 81.553,-38.889 h4.52
  text "G" at 82.629,-38.889 h4.52
  text "B" at 85.409,-38.889 h4.52
  text "R" at 88.009,-38.889 h4.52
  text "4" at 0.91,-44 h4.52
  text "I" at 12.704,-44 h4.52
  text "n" at 13.959,-44 h4.52
  text "n" at 16.201,-44 h4.52
  text "e" at 18.443,-44 h4.52
  text "r" at 20.684,-44 h4.52
  text "L" at 23.195,-44 h4.52
  text "a" at 25.436,-44 h4.52
  text "y" at 27.678,-44 h4.52
  text "e" at 29.74,-44 h4.52
  text "r" at 31.982,-44 h4.52
  text "1" at 34.493,-44 h4.52
  text "E" at 53.04,-44 h4.52
  text "C" at 55.461,-44 h4.52
  text "_" at 58.061,-44 h4.52
  text "I" at 59.765,-44 h4.52
  text "N" at 61.02,-44 h4.52
  text "N" at 63.799,-44 h4.52
  text "E" at 66.579,-44 h4.52
  text "R" at 69,-44 h4.52
  text "_" at 71.6,-44 h4.52
  text "L" at 73.304,-44 h4.52
  text "A" at 75.546,-44 h4.52
  text "Y" at 78.146,-44 h4.52
  text "E" at 80.746,-44 h4.52
  text "R" at 83.167,-44 h4.52
  text "1" at 85.767,-44 h4.52
  text "." at 88.009,-44 h4.52
  text "G" at 89.085,-44 h4.52
  text "B" at 91.865,-44 h4.52
  text "R" at 94.465,-44 h4.52
  text "5" at 0.91,-49.111 h4.52
  text "I" at 12.704,-49.111 h4.52
  text "n" at 13.959,-49.111 h4.52
  text "n" at 16.201,-49.111 h4.52
  text "e" at 18.443,-49.111 h4.52
  text "r" at 20.684,-49.111 h4.52
  text "L" at 23.195,-49.111 h4.52
  text "a" at 25.436,-49.111 h4.52
  text "y" at 27.678,-49.111 h4.52
  text "e" at 29.74,-49.111 h4.52
  text "r" at 31.982,-49.111 h4.52
  text "2" at 34.493,-49.111 h4.52
  text "E" at 53.04,-49.111 h4.52
  text "C" at 55.461,-49.111 h4.52
  text "_" at 58.061,-49.111 h4.52
  text "I" at 59.765,-49.111 h4.52
  text "N" at 61.02,-49.111 h4.52
  text "N" at 63.799,-49.111 h4.52
  text "E" at 66.579,-49.111 h4.52
  text "R" at 69,-49.111 h4.52
  text "_" at 71.6,-49.111 h4.52
  text "L" at 73.304,-49.111 h4.52
  text "A" at 75.546,-49.111 h4.52
  text "Y" at 78.146,-49.111 h4.52
  text "E" at 80.746,-49.111 h4.52
  text "R" at 83.167,-49.111 h4.52
  text "2" at 85.767,-49.111 h4.52
  text "." at 88.009,-49.111 h4.52
  text "G" at 89.085,-49.111 h4.52
  text "B" at 91.865,-49.111 h4.52
  text "R" at 94.465,-49.111 h4.52
  text "6" at 0.91,-54.222 h4.52
  text "B" at 12.704,-54.222 h4.52
  text "o" at 15.304,-54.222 h4.52
  text "t" at 17.546,-54.222 h4.52
  text "t" at 18.981,-54.222 h4.52
  text "o" at 20.415,-54.222 h4.52
  text "m" at 22.657,-54.222 h4.52
  text "L" at 27.05,-54.222 h4.52
  text "a" at 29.292,-54.222 h4.52
  text "y" at 31.534,-54.222 h4.52
  text "e" at 33.596,-54.222 h4.52
  text "r" at 35.838,-54.222 h4.52
  text "E" at 53.04,-54.222 h4.52
  text "C" at 55.461,-54.222 h4.52
  text "_" at 58.061,-54.222 h4.52
  text "B" at 59.765,-54.222 h4.52
  text "O" at 62.365,-54.222 h4.52
  text "T" at 65.144,-54.222 h4.52
  text "T" at 67.565,-54.222 h4.52
  text "O" at 69.986,-54.222 h4.52
  text "M" at 72.766,-54.222 h4.52
  text "_" at 75.904,-54.222 h4.52
  text "L" at 77.608,-54.222 h4.52
  text "A" at 79.849,-54.222 h4.52
  text "Y" at 82.45,-54.222 h4.52
  text "E" at 85.05,-54.222 h4.52
  text "R" at 87.471,-54.222 h4.52
  text "." at 90.071,-54.222 h4.52
  text "G" at 91.147,-54.222 h4.52
  text "B" at 93.927,-54.222 h4.52
  text "R" at 96.527,-54.222 h4.52
  text "7" at 0.91,-59.333 h4.52
  text "B" at 12.704,-59.333 h4.52
  text "o" at 15.304,-59.333 h4.52
  text "t" at 17.546,-59.333 h4.52
  text "t" at 18.981,-59.333 h4.52
  text "o" at 20.415,-59.333 h4.52
  text "m" at 22.657,-59.333 h4.52
  text "S" at 27.05,-59.333 h4.52
  text "o" at 29.471,-59.333 h4.52
  text "l" at 31.713,-59.333 h4.52
  text "d" at 32.789,-59.333 h4.52
  text "e" at 35.031,-59.333 h4.52
  text "r" at 37.272,-59.333 h4.52
  text "m" at 38.707,-59.333 h4.52
  text "a" at 42.025,-59.333 h4.52
  text "s" at 44.266,-59.333 h4.52
  text "k" at 46.328,-59.333 h4.52
  text "E" at 53.04,-59.333 h4.52
  text "C" at 55.461,-59.333 h4.52
  text "_" at 58.061,-59.333 h4.52
  text "B" at 59.765,-59.333 h4.52
  text "O" at 62.365,-59.333 h4.52
  text "T" at 65.144,-59.333 h4.52
  text "T" at 67.565,-59.333 h4.52
  text "O" at 69.986,-59.333 h4.52
  text "M" at 72.766,-59.333 h4.52
  text "_" at 75.904,-59.333 h4.52
  text "S" at 77.608,-59.333 h4.52
  text "O" at 80.029,-59.333 h4.52
  text "L" at 82.808,-59.333 h4.52
  text "D" at 85.05,-59.333 h4.52
  text "E" at 87.65,-59.333 h4.52
  text "R" at 90.071,-59.333 h4.52
  text "M" at 92.672,-59.333 h4.52
  text "A" at 95.81,-59.333 h4.52
  text "S" at 98.41,-59.333 h4.52
  text "K" at 100.831,-59.333 h4.52
  text "." at 103.611,-59.333 h4.52
  text "G" at 104.687,-59.333 h4.52
  text "B" at 107.466,-59.333 h4.52
  text "R" at 110.067,-59.333 h4.52
  text "8" at 0.91,-64.444 h4.52
  text "B" at 12.704,-64.444 h4.52
  text "o" at 15.304,-64.444 h4.52
  text "t" at 17.546,-64.444 h4.52
  text "t" at 18.981,-64.444 h4.52
  text "o" at 20.415,-64.444 h4.52
  text "m" at 22.657,-64.444 h4.52
  text "L" at 27.05,-64.444 h4.52
  text "e" at 29.292,-64.444 h4.52
  text "g" at 31.534,-64.444 h4.52
  text "e" at 33.775,-64.444 h4.52
  text "n" at 36.017,-64.444 h4.52
  text "d" at 38.259,-64.444 h4.52
  text "E" at 53.04,-64.444 h4.52
  text "C" at 55.461,-64.444 h4.52
  text "_" at 58.061,-64.444 h4.52
  text "B" at 59.765,-64.444 h4.52
  text "O" at 62.365,-64.444 h4.52
  text "T" at 65.144,-64.444 h4.52
  text "T" at 67.565,-64.444 h4.52
  text "O" at 69.986,-64.444 h4.52
  text "M" at 72.766,-64.444 h4.52
  text "_" at 75.904,-64.444 h4.52
  text "L" at 77.608,-64.444 h4.52
  text "E" at 79.849,-64.444 h4.52
  text "G" at 82.27,-64.444 h4.52
  text "E" at 85.05,-64.444 h4.52
  text "N" at 87.471,-64.444 h4.52
  text "D" at 90.251,-64.444 h4.52
  text "." at 92.851,-64.444 h4.52
  text "G" at 93.927,-64.444 h4.52
  text "B" at 96.706,-64.444 h4.52
  text "R" at 99.307,-64.444 h4.52
  text "9" at 0.91,-69.555 h4.52
  text "M" at 12.704,-69.555 h4.52
  text "e" at 15.842,-69.555 h4.52
  text "c" at 18.084,-69.555 h4.52
  text "h" at 20.326,-69.555 h4.52
  text "a" at 22.567,-69.555 h4.52
  text "n" at 24.809,-69.555 h4.52
  text "i" at 27.05,-69.555 h4.52
  text "c" at 28.126,-69.555 h4.52
  text "a" at 30.368,-69.555 h4.52
  text "l" at 32.61,-69.555 h4.52
  text "E" at 53.04,-69.555 h4.52
  text "C" at 55.461,-69.555 h4.52
  text "_" at 58.061,-69.555 h4.52
  text "M" at 59.765,-69.555 h4.52
  text "E" at 62.903,-69.555 h4.52
  text "C" at 65.324,-69.555 h4.52
  text "H" at 67.924,-69.555 h4.52
  text "A" at 70.704,-69.555 h4.52
  text "N" at 73.304,-69.555 h4.52
  text "I" at 76.084,-69.555 h4.52
  text "C" at 77.339,-69.555 h4.52
  text "A" at 79.939,-69.555 h4.52
  text "L" at 82.539,-69.555 h4.52
  text "." at 84.781,-69.555 h4.52
  text "G" at 85.857,-69.555 h4.52
  text "B" at 88.637,-69.555 h4.52
  text "R" at 91.237,-69.555 h4.52
Drill Drawing:
  text ".LEGEND" at 115.08,5.08 h1.52
  text "Drill Drawing." at 115.08,2.54 h1.52

## Dimensions
-0.024,-1 to 109.976,-1 on Mechanical 6
-1,0 to -1,25 on Mechanical 6

## Text inside footprints (layer, text, board x,y; h text height)
J3: Top Overlay "Y" at 3.276,15.931 h1.52 r270; Top Overlay "G" at 3.529,10.414 h1.52 r270
J4: Top Overlay "Y" at 106.724,9.069 h1.52 r90; Top Overlay "G" at 106.471,14.586 h1.52 r90